# KiCad board RoRo80.kicad_pcb (continued)
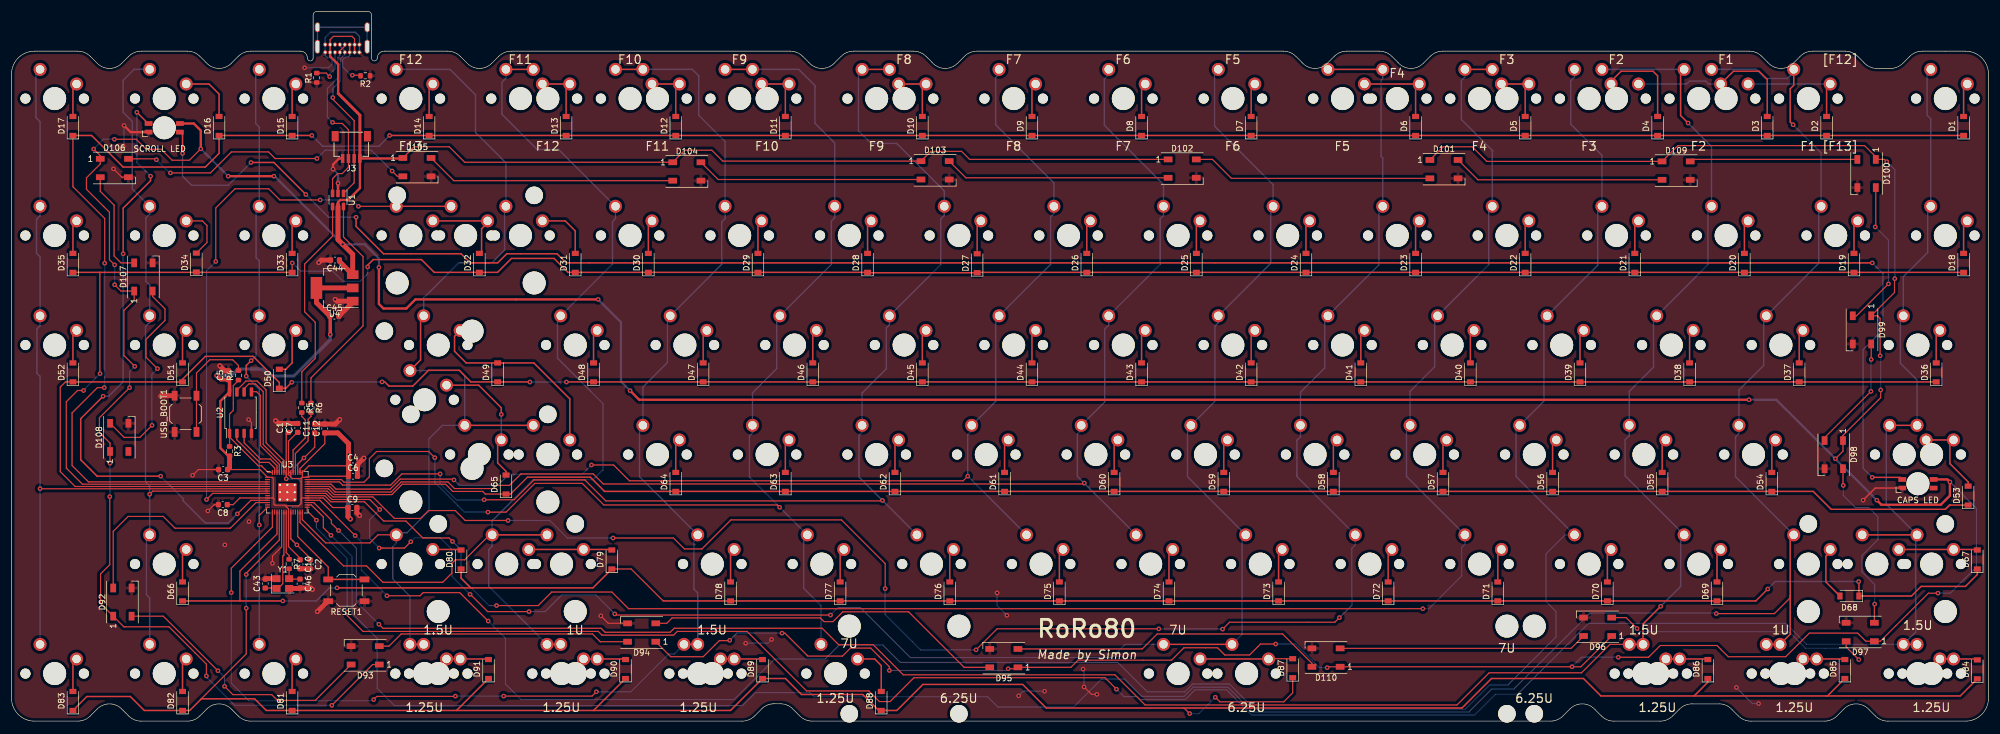
[diagram p0: board, top side]
## Nets
+1V1: C1.1 C2.1 C11.1 U3.23 U3.45 U3.50
+3V3: C3.1 C4.1 C5.1 C6.1 C7.1 C8.1 C9.1 C10.1 C12.1 C45.1 R3.2 U2.8 U3.1 U3.10 U3.22 U3.33 U3.42 U3.43 U3.44 U3.48 U3.49 U4.2
GND: C1.2 C2.2 C3.2 C4.2 C5.2 C6.2 C7.2 C8.2 C9.2 C10.2 C11.2 C12.2 C43.2 C44.2 C45.2 C46.2 D92.3 D93.3 D94.3 D95.3 D96.3 D97.3 D98.3 D99.3 D100.3 D101.3 D102.3 D103.3 D104.3 D105.3 D106.3 D107.3 D108.3 D109.3 D110.3 J1.A1 J1.A12 J1.B1 J1.B12 J3.4 LED1.4 LED2.4 R1.1 R2.1 RESET1.1 U1.2 U2.4 U3.19 U3.57 U4.1 USB_BOOT1.1 Y1.2 Y1.4
VBUS: C44.1 D92.1 D93.1 D94.1 D95.1 D96.1 D97.1 D98.1 D99.1 D100.1 D101.1 D102.1 D103.1 D104.1 D105.1 D106.1 D107.1 D108.1 D109.1 D110.1 J1.A4 J1.A9 J1.B4 J1.B9 J3.1 LED1.1 LED2.1 U1.5 U4.3
/QSPICLK: U2.6 U3.52
/QSPISD0: U2.5 U3.53
/QSPISD2: U2.3 U3.54
/QSPISD3: U2.7 U3.51
/QSPISS: R3.1 R4.1 U2.1 U3.56
/RESET: RESET1.2 U3.26
/SQPISD1: U2.2 U3.55
/SWCLK: U3.24
/SWD: U3.25
/USB+: J1.A6 J1.B6 J3.3 U1.3
/USB-: J1.A7 J1.B7 J3.2 U1.1
/XIN: C43.1 U3.20 Y1.1
/XOUT: R7.1 U3.21
CAPS_LED: LED2.3 U3.11
COL0: MX1.2 MX18.2 MX38.2 MX55.2 MX57.2 MX71.2 MX72.2 MX90.2 MX98.2 U3.29
COL1: MX2.2 MX2#2.2 MX19.2 MX39.2 MX58.2 MX73.2 MX91.2 MX99.2 U3.30
COL2: MX3.2 MX3#2.2 MX20.2 MX40.2 MX59.2 MX74.2 MX92.2 MX100.2 U3.31
COL3: MX4.2 MX21.2 MX41.2 MX60.2 MX75.2 U3.32
COL4: MX5.2 MX5#2.2 MX22.2 MX42.2 MX61.2 MX76.2 U3.34
COL5: MX6.2 MX6#2.2 MX23.2 MX43.2 MX62.2 MX77.2 U3.36
COL6: MX7.2 MX24.2 MX44.2 MX63.2 MX78.2 MX93.2 MX101.2 U3.35
COL7: MX8.2 MX25.2 MX45.2 MX64.2 MX79.2 U3.38
COL8: MX9.2 MX26.2 MX46.2 MX65.2 MX80.2 U3.39
COL9: MX10.2 MX10#2.2 MX27.2 MX47.2 MX66.2 MX81.2 U3.40
COL10: MX11.2 MX11#2.2 MX28.2 MX48.2 MX67.2 MX82.2 MX94.2 U3.41
COL11: MX12.2 MX12#2.2 MX29.2 MX49.2 MX68.2 MX83.2 MX95.2 MX102.2 U3.15
COL12: MX13.2 MX13#2.2 MX30.2 MX50.2 MX84.2 MX86.2 MX96.2 MX103.2 U3.27
COL13: MX14.2 MX31.2 MX37.2 MX51.2 MX56.2 MX69.2 MX85.2 MX97.2 MX104.2 U3.28
COL14: MX32.2 MX33.2 U3.8
COL15: MX15.2 MX34.2 MX52.2 MX87.2 U3.14
COL16: MX16.2 MX35.2 MX53.2 MX70.2 MX88.2 U3.7
COL17: MX17.2 MX36.2 MX54.2 MX89.2 U3.6
Data+: R5.1 U1.4
Data-: R6.1 U1.6
ROW0: D1.1 D2.1 D3.1 D4.1 D5.1 D6.1 D7.1 D8.1 D9.1 D10.1 D11.1 D12.1 D13.1 D14.1 D15.1 D16.1 D17.1 U3.3
ROW1: D18.1 D19.1 D20.1 D21.1 D22.1 D23.1 D24.1 D25.1 D26.1 D27.1 D28.1 D29.1 D30.1 D31.1 D32.1 D33.1 D34.1 D35.1 U3.4
ROW2: D36.1 D37.1 D38.1 D39.1 D40.1 D41.1 D42.1 D43.1 D44.1 D45.1 D46.1 D47.1 D48.1 D49.1 D50.1 D51.1 D52.1 U3.5
ROW3: D53.1 D54.1 D55.1 D56.1 D57.1 D58.1 D59.1 D60.1 D61.1 D62.1 D63.1 D64.1 D65.1 U3.37
ROW4: D66.1 D67.1 D68.1 D69.1 D70.1 D71.1 D72.1 D73.1 D74.1 D75.1 D76.1 D77.1 D78.1 D79.1 D80.1 U3.17
ROW5: D81.1 D82.1 D83.1 D84.1 D85.1 D86.1 D87.1 D88.1 D89.1 D90.1 D91.1 U3.18
UNDERGLOW: D92.4 U3.12
Net-(C46-Pad1): C46.1 R7.2 Y1.3
Net-(D1-Pad2): D1.2 MX1.1
Net-(D2-Pad2): D2.2 MX2.1 MX2#2.1
Net-(D3-Pad2): D3.2 MX3.1 MX3#2.1
Net-(D4-Pad2): D4.2 MX4.1
Net-(D5-Pad2): D5.2 MX5.1 MX5#2.1
Net-(D6-Pad2): D6.2 MX6.1 MX6#2.1
Net-(D7-Pad2): D7.2 MX7.1
Net-(D8-Pad2): D8.2 MX8.1
Net-(D9-Pad2): D9.2 MX9.1
Net-(D10-Pad2): D10.2 MX10.1 MX10#2.1
Net-(D11-Pad2): D11.2 MX11.1 MX11#2.1
Net-(D12-Pad2): D12.2 MX12.1 MX12#2.1
Net-(D13-Pad2): D13.2 MX13.1 MX13#2.1
Net-(D14-Pad2): D14.2 MX14.1
Net-(D15-Pad2): D15.2 MX15.1
Net-(D16-Pad2): D16.2 MX16.1
Net-(D17-Pad2): D17.2 MX17.1
Net-(D18-Pad2): D18.2 MX18.1
Net-(D19-Pad2): D19.2 MX19.1
Net-(D20-Pad2): D20.2 MX20.1
Net-(D21-Pad2): D21.2 MX21.1
Net-(D22-Pad2): D22.2 MX22.1
Net-(D23-Pad2): D23.2 MX23.1
Net-(D24-Pad2): D24.2 MX24.1
Net-(D25-Pad2): D25.2 MX25.1
Net-(D26-Pad2): D26.2 MX26.1
Net-(D27-Pad2): D27.2 MX27.1
Net-(D28-Pad2): D28.2 MX28.1
Net-(D29-Pad2): D29.2 MX29.1
Net-(D30-Pad2): D30.2 MX30.1
Net-(D31-Pad2): D31.2 MX31.1
Net-(D32-Pad2): D32.2 MX32.1 MX33.1
Net-(D33-Pad2): D33.2 MX34.1
Net-(D34-Pad2): D34.2 MX35.1
Net-(D35-Pad2): D35.2 MX36.1
Net-(D36-Pad2): D36.2 MX38.1
Net-(D37-Pad2): D37.2 MX39.1
Net-(D38-Pad2): D38.2 MX40.1
Net-(D39-Pad2): D39.2 MX41.1
Net-(D40-Pad2): D40.2 MX42.1
Net-(D41-Pad2): D41.2 MX43.1
Net-(D42-Pad2): D42.2 MX44.1
Net-(D43-Pad2): D43.2 MX45.1
Net-(D44-Pad2): D44.2 MX46.1
Net-(D45-Pad2): D45.2 MX47.1
Net-(D46-Pad2): D46.2 MX48.1
Net-(D47-Pad2): D47.2 MX49.1
Net-(D48-Pad2): D48.2 MX50.1
Net-(D49-Pad2): D49.2 MX37.1 MX51.1
Net-(D50-Pad2): D50.2 MX52.1
Net-(D51-Pad2): D51.2 MX53.1
Net-(D52-Pad2): D52.2 MX54.1
Net-(D53-Pad2): D53.2 MX55.1 MX57.1
Net-(D54-Pad2): D54.2 MX58.1
Net-(D55-Pad2): D55.2 MX59.1
Net-(D56-Pad2): D56.2 MX60.1
Net-(D57-Pad2): D57.2 MX61.1
Net-(D58-Pad2): D58.2 MX62.1
Net-(D59-Pad2): D59.2 MX63.1
Net-(D60-Pad2): D60.2 MX64.1
Net-(D61-Pad2): D61.2 MX65.1
Net-(D62-Pad2): D62.2 MX66.1
Net-(D63-Pad2): D63.2 MX67.1
Net-(D64-Pad2): D64.2 MX68.1
Net-(D65-Pad2): D65.2 MX56.1 MX69.1
Net-(D66-Pad2): D66.2 MX70.1
Net-(D67-Pad2): D67.2 MX71.1 MX72.1
Net-(D68-Pad2): D68.2 MX73.1
Net-(D69-Pad2): D69.2 MX74.1
Net-(D70-Pad2): D70.2 MX75.1
Net-(D71-Pad2): D71.2 MX76.1
Net-(D72-Pad2): D72.2 MX77.1
Net-(D73-Pad2): D73.2 MX78.1
Net-(D74-Pad2): D74.2 MX79.1
Net-(D75-Pad2): D75.2 MX80.1
Net-(D76-Pad2): D76.2 MX81.1
Net-(D77-Pad2): D77.2 MX82.1
Net-(D78-Pad2): D78.2 MX83.1
Net-(D79-Pad2): D79.2 MX84.1 MX86.1
Net-(D80-Pad2): D80.2 MX85.1
Net-(D81-Pad2): D81.2 MX87.1
Net-(D82-Pad2): D82.2 MX88.1
Net-(D83-Pad2): D83.2 MX89.1
Net-(D84-Pad2): D84.2 MX90.1 MX98.1
Net-(D85-Pad2): D85.2 MX91.1 MX99.1
Net-(D86-Pad2): D86.2 MX92.1 MX100.1
Net-(D87-Pad2): D87.2 MX93.1 MX101.1
Net-(D88-Pad2): D88.2 MX94.1
Net-(D89-Pad2): D89.2 MX95.1 MX102.1
Net-(D90-Pad2): D90.2 MX96.1 MX103.1
Net-(D91-Pad2): D91.2 MX97.1 MX104.1
Net-(D92-Pad2): D92.2 D93.4
Net-(D93-Pad2): D93.2 D94.4
Net-(D94-Pad2): D94.2 D95.4
Net-(D95-Pad2): D95.2 D110.4
Net-(D96-Pad2): D96.2 D97.4
Net-(D96-Pad4): D96.4 D110.2
Net-(D97-Pad2): D97.2 D98.4
Net-(D98-Pad2): D98.2 D99.4
Net-(D100-Pad2): D100.2 D109.4
Net-(D100-Pad4): D99.2 D100.4
Net-(D101-Pad2): D101.2 D102.4
Net-(D101-Pad4): D101.4 D109.2
Net-(D102-Pad2): D102.2 D103.4
Net-(D103-Pad2): D103.2 D104.4
Net-(D104-Pad2): D104.2 D105.4
Net-(D105-Pad2): D105.2 D106.4
Net-(D106-Pad2): D106.2 D107.4
Net-(D107-Pad2): D107.2 D108.4
Net-(J1-PadA5): J1.A5 R1.2
Net-(J1-PadA8): J1.A8 J1.B5 R2.2
Net-(LED2-Pad2): LED1.3 LED2.2
Net-(R4-Pad2): R4.2 USB_BOOT1.2
Net-(R5-Pad2): R5.2 U3.47
Net-(R6-Pad2): R6.2 U3.46

Pads without a net: D108 2; J1 B8 S1; LED1 2; U3 2 9 13 16

## Via types
v1: diameter 0.8, hole 0.4, Top to Bottom, 183 vias

## Routing (per net, layer and track width the routed paths; a pad name or vN(x,y) marks a point on that pad's centre or on a via; arc(x,y) is an arc through that point)
+1V1: length 46.4
  Top w0.2: C1.1 47.74,49.87 U3.50 47.74,42.16 v1(47.75,42.15) ; U3.45 49.74,44.7 v1(50.83,45.78) 52.7,47.65 C11.1 ; C2.1 51.9,28.35 v1(49.6,30.65) 48.54,31.71 U3.23
  Bottom w0.2: v1(50.83,45.78) 47.75,42.7 v1(47.75,42.15) 49.8,42.15 50.3,41.65 50.3,37.8 49.8,37.3 48.85,37.3 48.55,37 48.55,31.7 v1(49.6,30.65)
+3V3: length 172.5
  Top w0.2: U3.49 U3.48 48.54,42.46 ; U3.49 48.14,42.86 48.54,42.46 ; U3.49 48.14,48.7 49.68,50.23 C7.1 ; 45.6,38.7 45.45,38.85 45.41,38.81 U3.10 39.69,38.81 38.53,37.65 C8.1 ; 45.6,38.7 45.5,38.8 45.5,42.25 45.34,42.41 U3.1 43.17,43.75 C3.1 ; 45.6,38.7 45.6,37.75 45.8,37.55 47.5,37.55 47.6,37.45 ; U3.43 U3.44 50.14,43.95 54.45,48.25 C12.1 ; U3.43 51.7,44.4 C4.1 ; U3.43 50.54,42.4 ; 50.35,38.4 50.35,38.75 50.41,38.81 U3.33 54.19,38.81 55.85,37.15 C9.1 ; 50.35,38.4 50.35,42.2 ; 50.35,38.4 50.35,37.9 49.9,37.45 47.6,37.45 ; C6.1 51.57,42.6 U3.42 50.56,42.41 50.54,42.4 ; 48.54,42.46 48.8,42.2 50.35,42.2 ; 50.35,42.2 50.54,42.4 ; 47.6,37.45 48.14,36.91 U3.22 48.14,30.36 50.15,28.35 C10.1
  Top w0.4: R3.2 37.68,46.13 36.3,47.5 36.3,55.66 U2.8
  Top w0.6: v1(55.4,67.25) 55.4,70.39 C45.1 ; C5.1 36.38,59.38 v1(35.65,60.1) ; U2.8 37.9,59.18
  Top w0.85: v1(58.9,35.15) 58.48,35.58 C9.1 ; C12.1 56.73,50.13 58.58,48.28 v1(58.58,46.38) C4.1 C6.1 ; U4.2 U4.2 53,72.79 C45.1 ; C3.1 37.9,44.1 R3.2
  Bottom w0.6: v1(35.65,60.1) 38.2,60.1 39.35,61.25 43.6,61.25 44.8,60.05 49.1,60.05 55.4,66.35 v1(55.4,67.25)
  Bottom w0.85: v1(58.58,46.38) 58.55,46.35 58.55,35.5 v1(58.9,35.15)
GND: length 134.1
  Top w0.2: v1(41.2,52.45) 41.71,51.95 U2.4 ; C8.2 35.22,37.65 v1(34.13,36.56) ; C3.2 32.47,43.75 v1(31.48,42.76) ; U3.19 46.94,30.3 45.35,28.7 v1(45.35,27.45) ; v1(17.73,96.06) 19.18,94.61 D106.3 ; v1(188.65,4.65) 187.7,4.65 v1(186.4,5.95) ; v1(102.43,18.31) 103.72,17.01 D94.3
  Top w0.25: LED1.4 323.93,40.54 v1(321.83,38.43)
  Top w0.4: LED2.4 20.7,102.45 v1(19.55,103.6) ; J3.4 56.93,97.87 55.88,96.82 v1(55.88,96.03) ; U1.2 v1(56.75,93.55)
  Top w0.85: RESET1.1 54.95,20.85 v1(53.15,19.05) ; C11.2 C12.2 56.28,51.68 v1(57.05,52.45) ; C44.2 53.84,80.19 v1(53.4,79.75) ; v1(56.25,73.35) 56.55,73.05 U4.1 59.3,72.85 C45.2 ; Y1.4 44.18,24.78 C43.2 ; v1(36.2,61.8) 37.08,60.93 C5.2 ; C9.2 60.03,36.23 v1(60.5,35.75) ; Y1.2 50.08,23.08 C46.2 52.05,23.15 v1(52.3,22.9) ; C6.2 C4.2 ; USB_BOOT1.1 26.05,56.6 v1(25.95,56.5) ; C7.2 C1.2 46.38,51.78 v1(45.9,52.25) ; 60.13,44.63 v1(61.25,45.75) ; C10.2 C2.2
  Bottom w0.2: v1(132.1,14.2) 131.45,13.55 v1(127.6,13.55) ; v1(303.65,3.05) 302.6,3.05 v1(299.8,5.85) ; v1(186.25,9.05) 186.4,8.9 v1(186.4,5.95) ; v1(19.55,103.6) 19.55,100.1 v1(19.4,99.95) ; v1(179.55,5.2) 175.85,5.2 v1(175.05,4.4) ; J1.A1 54.53,115.78 54.9,115.4 55.45,115.4 55.7,115.15 55.7,114.25 55.1,113.65 v1(50.95,113.65) ; v1(171.3,22.3) 171.3,20.1 v1(173,18.4)
  Bottom w0.25: J1.A1 J1.B12 54.53,118.93 55.4,119.8 59.8,119.8 60.48,119.13 J1.B1 J1.A12
  Bottom w0.4: v1(56.75,93.55) 56.75,95.16 v1(55.88,96.03)
  vias: v1(37.08,30.66) v1(41.28,34.71)
VBUS: length 1149.4
  Top w0.2: v1(33.88,7.86) 33.88,9.91 27.38,16.41 19.53,16.41 D92.1 15.48,20.46 15.48,25.61 17.08,27.21 v1(17.08,39.06) ; v1(152.58,8.81) 152.58,9.46 149.33,12.71 145.83,12.71 144.43,11.31 138.43,11.31 134.43,15.31 v1(133.93,15.31) ; v1(17.13,44.86) D108.1 17.13,48.36 15.28,50.21 15.28,52.76 v1(20.53,58.01) ; v1(324.78,63.56) 324.78,70.06 324.33,70.51 D99.1 327.28,74.56 327.28,76.91 v1(327.33,76.96) ; v1(324.88,57.61) 324.88,56.26 318.33,49.71 D98.1 318.33,46.96 v1(317,45.64) ; v1(325.93,97.31) 325.53,97.71 D100.1 324.03,98.16 322.08,100.11 289.63,100.11 D109.1 256.43,97.36 253.88,99.91 248.83,99.91 D101.1 ; D96.1 272.78,9.46 v1(271.23,9.46) D110.1 228.83,9.46 v1(228.68,9.31) ; v1(334.83,22.26) 333.18,22.26 324.83,13.91 D97.1 322.28,13.91 320.88,15.31 312.48,15.31 308.38,11.21 298.38,11.21 296.43,13.16 286.58,13.16 284.53,11.11 v1(279.28,11.11) ; v1(124.83,14.06) 124.78,14.01 123.03,14.01 120.23,11.21 114.58,11.21 D94.1 ; D93.1 62.76,9.85 v1(55.68,2.76) ; D105.1 69.98,99.91 76.08,99.91 78.78,97.21 D104.1 117.03,99.31 121.73,99.31 123.63,97.41 D103.1 159.78,99.11 165.13,99.11 166.53,97.71 D102.1 ; v1(17.88,101.21) 21.68,101.21 23.43,99.46 26.03,99.46 27.93,97.56 30.91,97.56 v1(32.9,99.55) ; J1.B4 59.63,118.68 59.2,119.1 55.95,119.1 55.38,118.53 J1.B9 ; v1(21.43,61.71) 19.53,63.61 19.53,71.41 21.33,73.21 D107.1 19.03,74.81 v1(17.93,75.91) ; v1(17.93,79.36) 17.03,80.26 17.03,88.51 13.03,92.51 13.03,94.51 15.43,96.91 D106.1 15.43,98.36 v1(14.28,99.51) ; v1(173.23,9.11) 174.68,9.11 D95.1 184.13,9.36 185.38,10.61 201.63,10.61 203.78,12.76 209.63,12.76 210.88,11.51 215.18,11.51 217.08,13.41 v1(219.73,13.41)
  Top w0.25: J1.A4 J1.B9 ; J1.A9 J1.B4
  Top w0.4: v1(301.98,55.9) 109.1,55.9 v1(107.51,57.48) ; D105.1 67.94,97.87 J3.1 60.56,92.71 58.5,90.65 57.15,90.65 56.75,90.25 U1.5 ; v1(324.21,38.43) 325,37.64 335.32,37.64 336.91,39.23 v1(336.91,41.61) 336.47,42.04 LED1.1 ; v1(101.96,73.36) 70.21,73.36 68.62,71.77 64.65,71.77 63.86,72.56 v1(63.86,78.91) ; 56.78,109.18 56.78,114.23 55.38,115.63 J1.A4 ; v1(45.6,94.79) v1(37.66,94.79) ; LED2.1 31.67,103.95 32.9,102.73 v1(32.9,99.55)
  Top w0.5: J3.1 60.56,105.4 56.78,109.18
  Top w0.85: C44.1 57,79.96 U4.3 59.3,81.2 v1(57.56,82.94) 56.75,83.75 U1.5
  Bottom w0.2: v1(55.68,2.76) 38.78,2.76 33.88,7.66 v1(33.88,7.86) ; v1(334.83,22.26) 336.98,22.26 341.53,26.81 341.53,36.99 v1(336.91,41.61) ; v1(279.28,11.11) 272.88,11.11 v1(271.23,9.46) ; v1(124.83,14.06) 126.08,15.31 v1(133.93,15.31) ; v1(17.08,39.06) 17.13,39.11 v1(17.13,44.86) ; v1(152.58,8.81) 172.93,8.81 v1(173.23,9.11) ; v1(324.88,57.61) 324.88,63.46 v1(324.78,63.56) ; v1(21.43,61.71) 20.53,60.81 v1(20.53,58.01) ; v1(327.33,76.96) 327.33,95.91 v1(325.93,97.31) ; v1(14.28,99.51) 15.98,101.21 v1(17.88,101.21) ; v1(17.93,79.36) v1(17.93,75.91) ; v1(228.68,9.31) 227.33,9.31 223.23,13.41 v1(219.73,13.41)
  Bottom w0.4: v1(107.51,57.48) 105.93,59.07 105.93,69.39 v1(101.96,73.36) ; v1(301.98,55.9) 306.74,55.9 v1(317,45.64) v1(324.21,38.43) ; v1(37.66,94.79) v1(32.9,99.55) ; v1(45.6,94.79) 45.71,94.79 v1(57.56,82.94) 61.42,82.94 63.86,80.5 v1(63.86,78.91)
/QSPICLK: length 20.2
  Top w0.2: U2.6 40.44,57.84 41.25,58.65 42.4,58.65 43.75,57.3 43.75,48.1 46.94,44.91 U3.52
/QSPISD0: length 16.6
  Top w0.2: U2.5 41.76,57.3 42.6,57.3 43.25,56.65 43.25,47.95 46.54,44.66 U3.53
/QSPISD2: length 10.2
  Top w0.2: U3.54 46.14,44.41 44.95,45.6 43.25,45.6 40.44,48.42 U2.3
/QSPISD3: length 22.3
  Top w0.2: U2.7 39.17,57.57 40.75,59.15 42.7,59.15 44.25,57.6 44.25,48.4 47.34,45.31 U3.51
/QSPISS: length 22.8
  Top w0.2: U2.1 37.9,49.41 42.9,44.4 43.45,44.4 44.6,43.25 U3.56 ; U2.1 37.9,50.05 R3.1 ; U2.1 37.9,53.4 38.55,54.05 38.55,58.35 39.45,59.25 R4.1
/RESET: length 20.2
  Top w0.2: RESET1.2 55.05,26.8 49.74,32.11 U3.26
  Top w0.25: RESET1.2 RESET1.2
/SQPISD1: length 10.5
  Top w0.2: U2.2 39.17,48.94 43.1,45 44.75,45 45.74,44.01 U3.55
/USB+: length 31.1
  Top w0.2: J1.A6 57.08,116.58 57.93,117.43 J1.B6 ; U1.3 55.8,94.36 56.68,95.23 57.47,95.23 58.56,96.32 J3.3 58.56,102.88 57.47,103.97 55.99,103.97 v1(55.8,104.15)
  Bottom w0.2: J1.A6 57.08,115.83 56.7,115.45 56.7,111.85 54.9,110.05 54.9,105.05 v1(55.8,104.15)
/USB-: length 29.4
  Top w0.2: v1(55.85,108.45) 55.85,108.15 59.56,104.45 J3.2 59.56,93.65 U1.1
  Bottom w0.2: J1.B7 57.08,117.43 57.93,116.58 J1.A7 57.93,115.98 57.15,115.2 57.15,111.35 55.85,110.05 v1(55.85,108.45)
/XIN: length 16
  Top w0.2: C43.1 45.98,23.15 Y1.1 46.33,23.08 47.15,23.9 47.15,28.7 47.34,28.9 U3.20
/XOUT: length 8.4
  Top w0.2: R7.1 48.25,28.8 47.74,29.31 U3.21
CAPS_LED: length 108.8
  Top w0.2: U3.11 41.61,38.41 v1(39.25,36.05)
  Top w0.25: v1(24.17,94.79) 24.17,94 19.41,89.23 v1(19.41,81.3) ; v1(21.79,105.9) 23.74,103.95 LED2.3 ; v1(25.93,42.61) 14.88,42.61 12.03,45.46 12.03,52.61 v1(15.93,56.51)
  Bottom w0.25: v1(25.93,42.61) 29.81,38.72 29.81,38.35 33.69,34.46 37.66,34.46 v1(39.25,36.05) ; v1(21.79,105.9) 21.79,97.17 v1(24.17,94.79) ; v1(19.41,81.3) 19.41,59.03 16.89,56.51 v1(15.93,56.51)
COL0: length 436.9
  Top w0.2: U3.29 51.4,37.19 51.4,36.55 v1(53,34.95) ; v1(58.35,18.95) 58.35,18.35 61.1,15.6 101.98,15.6 102.63,14.96 115.08,14.96 115.72,15.6 127.85,15.6 138.2,5.25 149,5.25 150.85,3.4 152.7,3.4 156.85,7.55 190.05,7.55 v1(192.05,5.55)
  Top w0.25: MX98.2 MX90.2 ; MX57.2 MX55.2 ; MX72.2 MX71.2
  Bottom w0.2: v1(58.35,18.95) 58.35,28.25 53,33.6 v1(53,34.95) ; MX98.2 312,13.35 308.35,17 274.1,17 261.75,4.65 257.88,4.65 254.28,1.06 215.58,1.06 211.18,5.46 205.73,5.46 204.03,3.76 196.18,3.76 195.67,4.27 193.34,4.27 v1(192.05,5.55)
  Bottom w0.25: MX98.2 330.95,15.49 330.95,32.16 MX71.2 325.85,37.74 325.85,50.87 MX57.2 ; MX1.2 332.95,112.74 332.95,105.38 333.57,104.76 MX18.2 333.05,89.03 333.05,81.53 328.81,77.29 MX38.2 328.3,69.99 328.3,62.23 331.19,59.34 MX55.2
COL1: length 432.7
  Top w0.2: v1(296.3,18.7) 306.4,18.7 309.15,21.45 309.15,21.85 ; v1(55.53,32.33) 54.2,33.65 54.2,35.5 52.09,37.61 U3.30
  Top w0.25: MX73.2 309.15,31.79 309.15,15.12 MX91.2 MX99.2 ; MX2.2 309.76,110.59 309.15,109.98 309.15,104.23 v1(309.65,103.73)
  Bottom w0.2: v1(55.53,32.33) 59.2,28.65 59.2,18.75 63.55,14.4 63.55,5.7 66.55,2.7 127.05,2.7 129.3,4.95 138.8,4.95 139.5,4.25 169.65,4.25 171.45,2.45 184.6,2.45 189.45,7.3 193.45,7.3 196.45,4.3 203.78,4.3 205.39,5.91 211.43,5.91 215.73,1.61 253.33,1.61 257.27,5.55 261.1,5.55 274.35,18.8 296.2,18.8 v1(296.3,18.7)
  Bottom w0.25: MX2.2 309.76,112.89 308.66,111.78 304.85,111.78 303.27,113.36 MX2#2.2 ; MX73.2 299.65,42.51 299.65,49.43 300.24,50.02 MX58.2 300.24,57.57 304.55,61.88 304.55,70.05 MX39.2 314.1,79.6 314.1,89.13 MX19.2 314.52,98.86 v1(309.65,103.73)
COL2: length 387.7
  Top w0.2: v1(63.85,16.85) 64.55,16.15 102.48,16.15 103.18,15.46 114.48,15.46 115.17,16.15 140.9,16.15 143.75,13.3 149.75,13.3 155,8.05 191.78,8.05 197.03,2.81 251.23,2.81 256.83,8.41 272.88,8.41 277.82,13.35 MX100.2 ; v1(56.85,33.15) 55.6,34.4 55.6,34.95 52.54,38.01 U3.31
  Top w0.25: v1(286.64,19.97) 283.57,16.9 MX92.2 MX100.2 ; v1(291.4,104.03) 290.1,105.33 290.1,112.75 MX3.2
  Bottom w0.2: v1(63.85,16.85) 59.95,20.75 59.95,30.05 v1(56.85,33.15)
  Bottom w0.25: v1(291.4,104.03) 295.47,99.96 MX20.2 294.85,88.93 294.85,79.4 MX40.2 285.4,69.95 285.4,61.58 281.19,57.37 MX59.2 281.19,49.67 280.45,48.93 280.45,42.68 281.35,41.78 281.35,41.76 MX74.2 290.1,31.79 290.1,23.43 v1(286.64,19.97) ; MX3#2.2 MX3.2
COL3: length 369.7
  Top w0.2: v1(65.25,21.8) 71,21.8 71.55,22.35 77.9,22.35 v1(82.85,17.4) ; v1(59.73,32.28) 53.59,38.41 U3.32
  Bottom w0.2: v1(59.73,32.28) 60.8,31.2 60.8,26.25 v1(65.25,21.8) ; MX75.2 270,32.4 266.7,29.1 266.7,20.8 268.45,19.05 268.45,14.65 260.11,6.31 256.93,6.31 252.68,2.06 216.08,2.06 213.03,5.1 213.02,5.1 211.67,6.46 205.28,6.46 203.92,5.1 197.4,5.1 192.3,10.2 154.5,10.2 151.45,13.25 143.85,13.25 141.4,10.8 132.65,10.8 125.6,3.75 88.55,3.75 85.85,6.45 85.85,14.4 v1(82.85,17.4)
  Bottom w0.25: MX4.2 271.66,112.04 271,111.38 271,103.83 276.42,98.41 MX21.2 275.7,88.83 275.7,79.3 MX41.2 266.35,69.95 266.35,55.67 MX60.2 261.5,50.82 261.5,42.56 MX75.2
COL4: length 322
  Top w0.2: U3.34 54.44,39.21 55.5,38.15 61.35,38.15 64.7,34.8 68.55,34.8 71.5,31.85 76.05,31.85 v1(76.65,31.25) ; v1(245.3,19.55) 107.25,19.55 104.35,22.45 93.9,22.45 91.55,20.1 v1(84.3,20.1)
  Top w0.25: MX5#2.2 MX5.2
  Bottom w0.2: v1(245.3,19.55) 246.35,19.55 252.05,25.25 252.05,30.2 252.61,30.76 MX76.2 ; v1(84.3,20.1) 83,20.1 78.15,24.95 78.15,29.75 v1(76.65,31.25)
  Bottom w0.25: MX5#2.2 252.61,112.04 252,111.43 252,104.63 257.45,99.18 257.37,99.11 MX22.2 256.75,88.93 256.75,79.4 MX42.2 247.35,70 247.35,61.63 243.09,57.37 MX61.2 242.45,50.82 242.45,42.56 MX76.2
COL5: length 320.7
  Top w0.2: v1(151.85,23.05) 151.85,27.4 144.25,35 125.05,35 120,29.95 116.95,29.95 115.05,31.85 v1(104.55,31.85) ; v1(167.65,12.4) 171.3,16.05 v1(199.4,16.05) ; U3.36 54.86,40.01 55.87,39 62.8,39 66.55,35.25 71.1,35.25 72.48,36.63 77.13,36.63 78.85,34.9 v1(86.3,34.9) ; v1(210.5,16) 211.7,17.2 230,17.2 v1(230.8,18)
  Top w0.25: MX6#2.2 MX6.2
  Bottom w0.2: v1(230.8,18) 232.95,20.15 232.95,30.05 233.56,30.66 MX77.2 ; v1(199.4,16.05) 210.45,16.05 v1(210.5,16) ; v1(86.3,34.9) 93.55,34.9 96.6,31.85 v1(104.55,31.85) ; v1(167.65,12.4) 158,12.4 151.85,18.55 v1(151.85,23.05)
  Bottom w0.25: 223.4,43.13 223.4,42.78 ; 223.4,43.13 223.4,42.56 MX77.2 ; 223.4,43.13 223.4,48.83 224.04,49.47 MX62.2 224.04,57.22 228.25,61.43 228.25,69.95 MX43.2 237.65,79.35 237.65,88.88 MX23.2 238.32,97.96 238.05,98.23 238.05,111.48 238.32,111.76 MX6.2
COL6: length 302.5
  Top w0.2: v1(104.85,18.65) 105.05,18.45 v1(142.35,18.45) ; v1(64,36.8) 62.25,38.55 55.7,38.55 54.64,39.61 U3.35 ; v1(79.7,22.05) 79.75,22.05 82.75,19.05 v1(89.95,19.05) ; v1(63.9,30.1) 68.3,30.1 v1(69.4,31.2)
  Top w0.25: MX101.2 MX93.2
  Bottom w0.2: v1(89.95,19.05) 92.75,19.05 95.65,21.95 101.55,21.95 v1(104.85,18.65) ; v1(142.35,18.45) 143.65,19.75 147.55,19.75 156.25,11.05 191.25,11.05 193.55,13.35 MX101.2 ; v1(64,36.8) 62.25,35.05 62.25,31.75 v1(63.9,30.1) ; v1(79.7,22.05) 76.55,25.2 76.55,29.85 74.5,31.9 70.1,31.9 v1(69.4,31.2)
  Bottom w0.25: MX7.2 209.1,112.72 209.1,103.48 219.27,93.31 MX24.2 218.85,89.13 218.85,79.6 MX44.2 209.75,69.28 209.15,68.68 209.15,55.62 MX63.2 204.4,50.87 204.4,42.51 MX78.2 213.9,31.79 213.9,15.12 MX93.2
COL7: length 234.5
  Top w0.2: U3.38 55.29,40.81 56.25,39.85 65.99,39.85 67.74,41.6 75.85,41.6 77,40.45 83.7,40.45 84.25,41 86.55,41 88.55,43 101.1,43 102.85,41.25 186.3,41.25 v1(186.45,41.41)
  Bottom w0.25: MX79.2 v1(186.45,41.41) 185.25,42.61 185.25,49.93 185.94,50.62 MX64.2 190,55.52 190,68.18 190.7,68.88 MX45.2 199.65,79.45 199.65,87.38 200.22,87.96 MX25.2 200.22,93.36 189.95,103.63 189.95,111.68 190.7,112.43 MX8.2
COL8: length 215.1
  Top w0.2: v1(100.8,44.55) 104.65,44.55 107.4,41.8 165.39,41.8 v1(166.2,42.61) ; v1(76.9,41.95) 76.75,42.1 67.55,42.1 65.8,40.35 56.4,40.35 55.54,41.21 U3.39
  Bottom w0.2: v1(76.9,41.95) 77.85,41 84.5,41 86.43,42.93 99.18,42.93 v1(100.8,44.55)
  Bottom w0.25: MX80.2 v1(166.2,42.61) 166.2,49.83 166.89,50.52 MX65.2 171.05,55.62 171.05,69.9 MX46.2 180.6,79.45 180.6,87.73 181.17,88.31 MX26.2 181.17,93.61 171.05,103.73 171.05,111.93 171.65,112.53 MX9.2
COL9: length 212
  Top w0.2: v1(74.5,43) 67.85,43 65.9,41.05 57.55,41.05 56.99,41.61 U3.40 ; v1(82.15,38.5) 87.35,38.5 90.8,41.95 99.65,41.95 103.3,38.3 151.3,38.3 v1(151.38,38.38)
  Top w0.25: MX10#2.2 MX10.2
  Bottom w0.2: v1(74.5,43) 74.5,41.3 77.3,38.5 v1(82.15,38.5)
  Bottom w0.25: MX10#2.2 147.2,112.73 147.2,102.68 149.4,100.48 153.85,100.48 162.12,92.21 MX27.2 162.12,87.96 161.5,87.33 161.5,79.4 MX47.2 152.6,68.93 152.05,68.38 152.05,61.28 147.84,57.07 MX66.2 147.84,50.22 147.3,49.68 147.3,42.46 v1(151.38,38.38) MX81.2
COL10: length 224.3
  Top w0.2: v1(133.5,37.21) 133.11,37.6 102.95,37.6 99.2,41.35 90.95,41.35 85.95,36.35 v1(82.8,36.35) ; v1(73.58,45.83) 72.5,46.9 63.45,46.9 62.2,45.65 62.2,42.5 61.25,41.55 57.8,41.55 57.34,42.01 U3.41
  Top w0.25: MX11#2.2 MX11.2
  Bottom w0.2: v1(73.58,45.83) 73.58,41.48 78.7,36.35 v1(82.8,36.35)
  Bottom w0.25: MX94.2 140.69,20.09 137.7,23.08 137.7,31.79 MX82.2 v1(133.5,37.21) 128.25,42.46 128.25,49.58 128.79,50.12 MX67.2 128.79,57.12 133,61.33 133,69.95 MX48.2 142.5,79.45 142.5,86.98 143.07,87.56 MX28.2 143.07,100.56 139.65,103.98 139.65,110.53 136.82,113.36 MX11.2
COL11: length 245.7
  Top w0.2: v1(38.2,22.35) 38.2,26.6 45.34,33.75 U3.15 ; v1(62.95,3.75) 63.5,4.3 77.1,4.3 v1(77.15,4.35) ; v1(85.55,4.35) 100.9,4.35 v1(101.65,5.1)
  Top w0.25: MX12#2.2 MX12.2 ; MX95.2 MX102.2
  Bottom w0.2: v1(101.65,5.1) 107.65,5.1 114.25,11.7 115.23,11.7 MX95.2 ; v1(77.15,4.35) v1(85.55,4.35) ; v1(38.2,22.35) 38.2,6.6 41.25,3.55 62.75,3.55 v1(62.95,3.75)
  Bottom w0.25: MX12.2 118.32,113.36 119.45,112.23 119.45,105.38 124.02,100.81 MX29.2 124.02,87.41 123.45,86.83 123.45,79.45 MX49.2 114,70 114,62.38 109.74,58.12 MX68.2 109.15,50.87 109.15,42.51 MX83.2 118.6,31.74 118.6,22.98 119.26,22.32 MX102.2
COL12: length 197.2
  Top w0.2: U3.27 50.14,34.56 57.7,27 61.7,27 64.55,24.15 74.95,24.15 76.55,25.75 76.55,27.45 77.15,28.05 78.75,28.05 83.1,32.4 MX86.2
  Top w0.25: MX13#2.2 MX13.2 ; MX96.2 MX103.2 ; MX86.2 MX84.2
  Bottom w0.2: 100.75,57.28 102.8,55.23 102.8,43.7 101.09,41.99 90.66,41.99 90.19,41.52
  Bottom w0.25: 90.19,41.52 83.54,34.87 MX86.2 83.54,30.42 82.95,29.83 82.95,23.47 MX96.2 ; 100.75,57.28 94.9,63.13 94.9,69.95 MX50.2 104.45,79.5 104.45,86.88 104.97,87.41 MX30.2 95.09,99.43 91.35,99.43 85.25,105.53 85.25,111.13 85.92,111.81 MX13#2.2
COL13: length 176.4
  Top w0.2: U3.28 50.54,35.06 54.6,31 62.3,31 63.7,32.4 MX85.2
  Top w0.25: MX69.2 MX37.2 ; MX51.2 71.1,69.97 71.1,62.82 MX56.2 ; MX97.2 MX104.2
  Bottom w0.2: 77.15,51.45 74.9,51.45 72.55,49.1 72.55,36.58 72.39,36.42
  Bottom w0.25: 77.15,51.45 MX69.2 78.78,60.05 77.86,60.98 MX56.2 ; 72.39,36.42 68.75,32.78 67.25,32.78 MX85.2 66.87,30.95 66.25,30.33 66.25,24.73 69.25,21.73 MX97.2 ; MX51.2 71.64,73.62 77.75,79.73 83.5,79.73 85.7,81.93 85.7,89.33 MX31.2 85.92,97.11 80.65,102.38 80.65,108.93 76.22,113.36 MX14.2
COL14: length 106
  Top w0.2: MX32.2 60.3,89.55 ; v1(53.65,90.65) 46.65,90.65 44.7,92.6 38.85,92.6 35.5,89.25 v1(35.5,79.95) ; v1(33.9,38.55) 34.96,39.61 U3.8
  Top w0.25: MX32.2 MX33.2
  Bottom w0.2: v1(53.65,90.65) 59.2,90.65 v1(60.3,89.55) ; v1(35.5,79.95) 33.9,78.35 v1(33.9,38.55)
COL15: length 106.6
  Top w0.2: v1(43.06,34.11) 43.06,35.77 U3.14
  Top w0.25: v1(41.65,62.7) 40.8,61.85 v1(40.8,60)
  Bottom w0.25: v1(40.8,60) 43.06,57.74 v1(43.06,34.11) MX87.2 ; v1(41.65,62.7) 42.5,63.55 42.5,68.98 43.06,69.54 MX52.2 43.06,80.07 42.5,80.63 42.5,88.99 MX34.2 43.06,103.32 42.45,103.93 42.45,112.75 MX15.2
COL16: length 127.7
  Top w0.2: U3.7 24.56,40.01 v1(24.01,39.46)
  Bottom w0.25: MX88.2 24.01,21.42 23.45,21.98 23.45,31.84 MX70.2 v1(24.01,39.46) 24.01,40.92 23.3,41.63 23.3,68.63 24.01,69.34 MX53.2 24.01,75.87 23.35,76.53 23.35,87.53 24.01,88.19 MX35.2 20.99,92.57 20.99,104.31 19.41,105.9 19.41,111.46 21.31,113.36 MX16.2
COL17: length 141.1
  Top w0.2: U3.6 4.99,40.41 v1(4.96,40.44)
  Bottom w0.25: MX17.2 4.25,112.65 4.25,104.98 4.96,104.27 MX36.2 4.96,87.89 4.35,87.28 4.35,81.38 4.96,80.77 MX54.2 4.96,68.74 4.4,68.18 4.4,60.53 4.96,59.97 v1(4.96,40.44) MX89.2
Data+: length 37.9
  Top w0.2: U1.4 55.8,84.35 50.95,79.5 50.95,71.2 52.8,69.35 52.8,63.1 50.45,60.75 R5.1
Data-: length 39.3
  Top w0.2: U1.6 57.7,84.2 61.1,80.8 61.1,68.75 52.05,59.7 R6.1
ROW0: length 434.5
  Top w0.2: v1(16.2,79.65) 16.2,87.43 10.68,92.96 D17.1 ; v1(16.13,58.01) 14.93,58.01 10.53,53.61 10.53,44.46 13.37,41.61 U3.3
  Top w0.25: v1(52.2,101.87) D15.1 D16.1 36.08,98.76 33.69,96.38 19.41,96.38 13.91,101.87 D17.1 ; v1(65.72,101.87) D14.1 D13.1 D12.1 D11.1 D10.1 D9.1 D8.1 D7.1 D6.1 D5.1 D4.1 D3.1 D2.1 D1.1
  Bottom w0.2: v1(16.13,58.01) 16.2,58.08 v1(16.2,79.65)
  Bottom w0.25: v1(52.2,101.87) 54.07,100 63.84,100 v1(65.72,101.87)
ROW1: length 410.3
  Top w0.2: v1(48.8,79.7) 48.78,79.68 D33.1 ; v1(12.53,57.51) 11.48,57.51 9.53,55.56 9.53,44.01 12.32,41.21 U3.4 ; 15.36,78.06 15.36,60.5 v1(15.4,60.45)
  Top w0.25: v1(61.9,79) 61.9,79.3 62.88,80.28 71.25,80.28 73.48,78.06 D32.1 84.48,78.06 86.9,80.48 94.3,80.48 96.73,78.06 D31.1 D30.1 D29.1 D28.1 148.85,78 D27.1 167.9,78.06 D26.1 D25.1 D24.1 D23.1 D22.1 D21.1 D20.1 D19.1 D18.1 ; D33.1 D35.1
  Bottom w0.2: v1(12.53,57.51) 12.53,57.58 v1(15.4,60.45) ; v1(48.8,79.7) 50.25,78.25 55.85,78.25 57.6,76.5 60.6,76.5 61.9,77.8 v1(61.9,79)
ROW2: length 385.9
  Top w0.2: D52.1 9.38,59.01 8.48,58.11 8.48,43.41 11.07,40.81 U3.5
  Top w0.25: v1(96.45,58.98) 96.48,59.01 D48.1 D47.1 D46.1 D45.1 D44.1 D43.1 D42.1 D41.1 D40.1 D39.1 D38.1 D37.1 D36.1 ; v1(48.71,58.94) 47.67,57.9 D50.1 46.55,58.9 42,63.45 33.7,63.45 29.73,59.48 D51.1 D52.1 ; v1(90.1,58.98) 90.08,59.01 D49.1 79.83,59.01 77.8,61.03 72.5,61.03 69.75,58.28 65.6,58.28 64.88,59.01 v1(64.41,59.01)
  Bottom w0.25: 48.78,59.01 v1(64.41,59.01) ; v1(90.1,58.98) v1(96.45,58.98)
ROW3: length 295.5
  Top w0.2: U3.37 55.09,40.41 56.1,39.4 66.1,39.4 67.9,41.2 75.45,41.2 76.7,39.96 81.9,39.96 82.35,39.5 D65.1 86.75,39.5 89.68,42.43
  Top w0.25: 336.11,36.85 316.27,36.85 313.16,39.96 D54.1 D55.1 D56.1 D57.1 D58.1 D59.1 D60.1 D61.1 D62.1 D63.1 D64.1 103.08,39.96 100.6,42.43 89.68,42.43 ; 336.11,36.85 336.91,37.64 ; 336.11,36.85 336.84,37.58 D53.1
ROW4: length 345.4
  Top w0.2: 39.7,20.91 39.7,26.1 46.14,32.55 U3.17 ; 113.26,20.91 107.7,26.46 D79.1
  Top w0.25: 80.15,23.18 79.8,23.18 78.14,24.84 D80.1 ; 80.15,23.18 101.06,23.18 D79.1 ; 80.15,23.18 v1(56.58,23.18) ; 113.26,20.91 D78.1 D77.1 D76.1 D75.1 D74.1 D73.1 D72.1 D71.1 D70.1 D69.1 303.18,20.91 v1(305.25,22.98) ; D67.1 341.67,25.5 339.6,23.43 331.9,23.43 330.23,21.76 D68.1 321.09,24.24 v1(321.05,24.28) ; v1(47.16,20.91) D66.1
  Bottom w0.25: v1(56.58,23.18) 55.25,23.18 52.98,20.91 v1(47.16,20.91) ; v1(321.05,24.28) 306.55,24.28 v1(305.25,22.98)
ROW5: length 434
  Top w0.2: v1(40.8,25.5) 40.8,25.75 46.54,31.5 U3.18 ; v1(204.78,1.31) 203.8,2.28 203.65,2.28 ; v1(209.23,4.16) 210.03,3.36 221.13,3.36 222.68,4.91 D87.1 ; v1(40.8,19.65) 40.8,11.7 33,3.9 33,3.88
  Top w0.25: 292.45,4.38 276.25,4.38 273.22,7.41 257.23,7.41 252.1,2.28 179.85,2.28 175.75,6.38 158.4,6.38 153.88,1.86 D88.1 150.73,1.86 147.95,4.63 137.3,4.63 134.52,7.41 D89.1 124.98,1.86 101.16,1.86 ; 292.45,4.38 315.4,4.38 ; 292.45,4.38 294.84,6.77 D86.1 ; D84.1 338.7,4.38 315.4,4.38 ; 315.4,4.38 315.62,4.38 D85.1 ; 77.35,1.86 101.16,1.86 ; 77.35,1.86 D81.1 44.28,1.86 42.25,3.88 33,3.88 30.98,1.86 D82.1 23.08,1.86 20.65,4.28 13.1,4.28 D83.1 ; 77.35,1.86 D91.1 ; 101.16,1.86 D90.1
  Bottom w0.2: v1(209.23,4.16) 206.38,1.31 v1(204.78,1.31) ; v1(40.8,19.65) v1(40.8,25.5)
UNDERGLOW: length 40.5
  Top w0.2: U3.12 42.48,38.01 38.03,33.56 28.43,33.56 26.38,35.61 20.28,35.61 17.68,33.01 D92.4
Net-(C46-Pad1): length 3.7
  Top w0.2: C46.1 48.33,24.7 Y1.3 R7.2
Net-(D1-Pad2): length 5.9
  Top w0.25: MX1.1 339.29,110.19 D1.2
Net-(D2-Pad2): length 20.2
  Top w0.25: MX2.1 315.48,110.19 D2.2
  Bottom w0.25: MX2.1 MX2#2.1
